# Altium PCB PIXHACK_V3X2.PcbDoc (part 2 of 3)
Units mm, origin at the board's own origin, x right, y up, seen from the top; angles counter-clockwise.
Board outline 51.45 x 41 mm, 6 copper layers (Top Layer, GND, POWER1, Signal1, POWER, Bottom Layer), stack 1.296 mm thick; 217 components, 247 nets, 1002 pads, 279 vias.
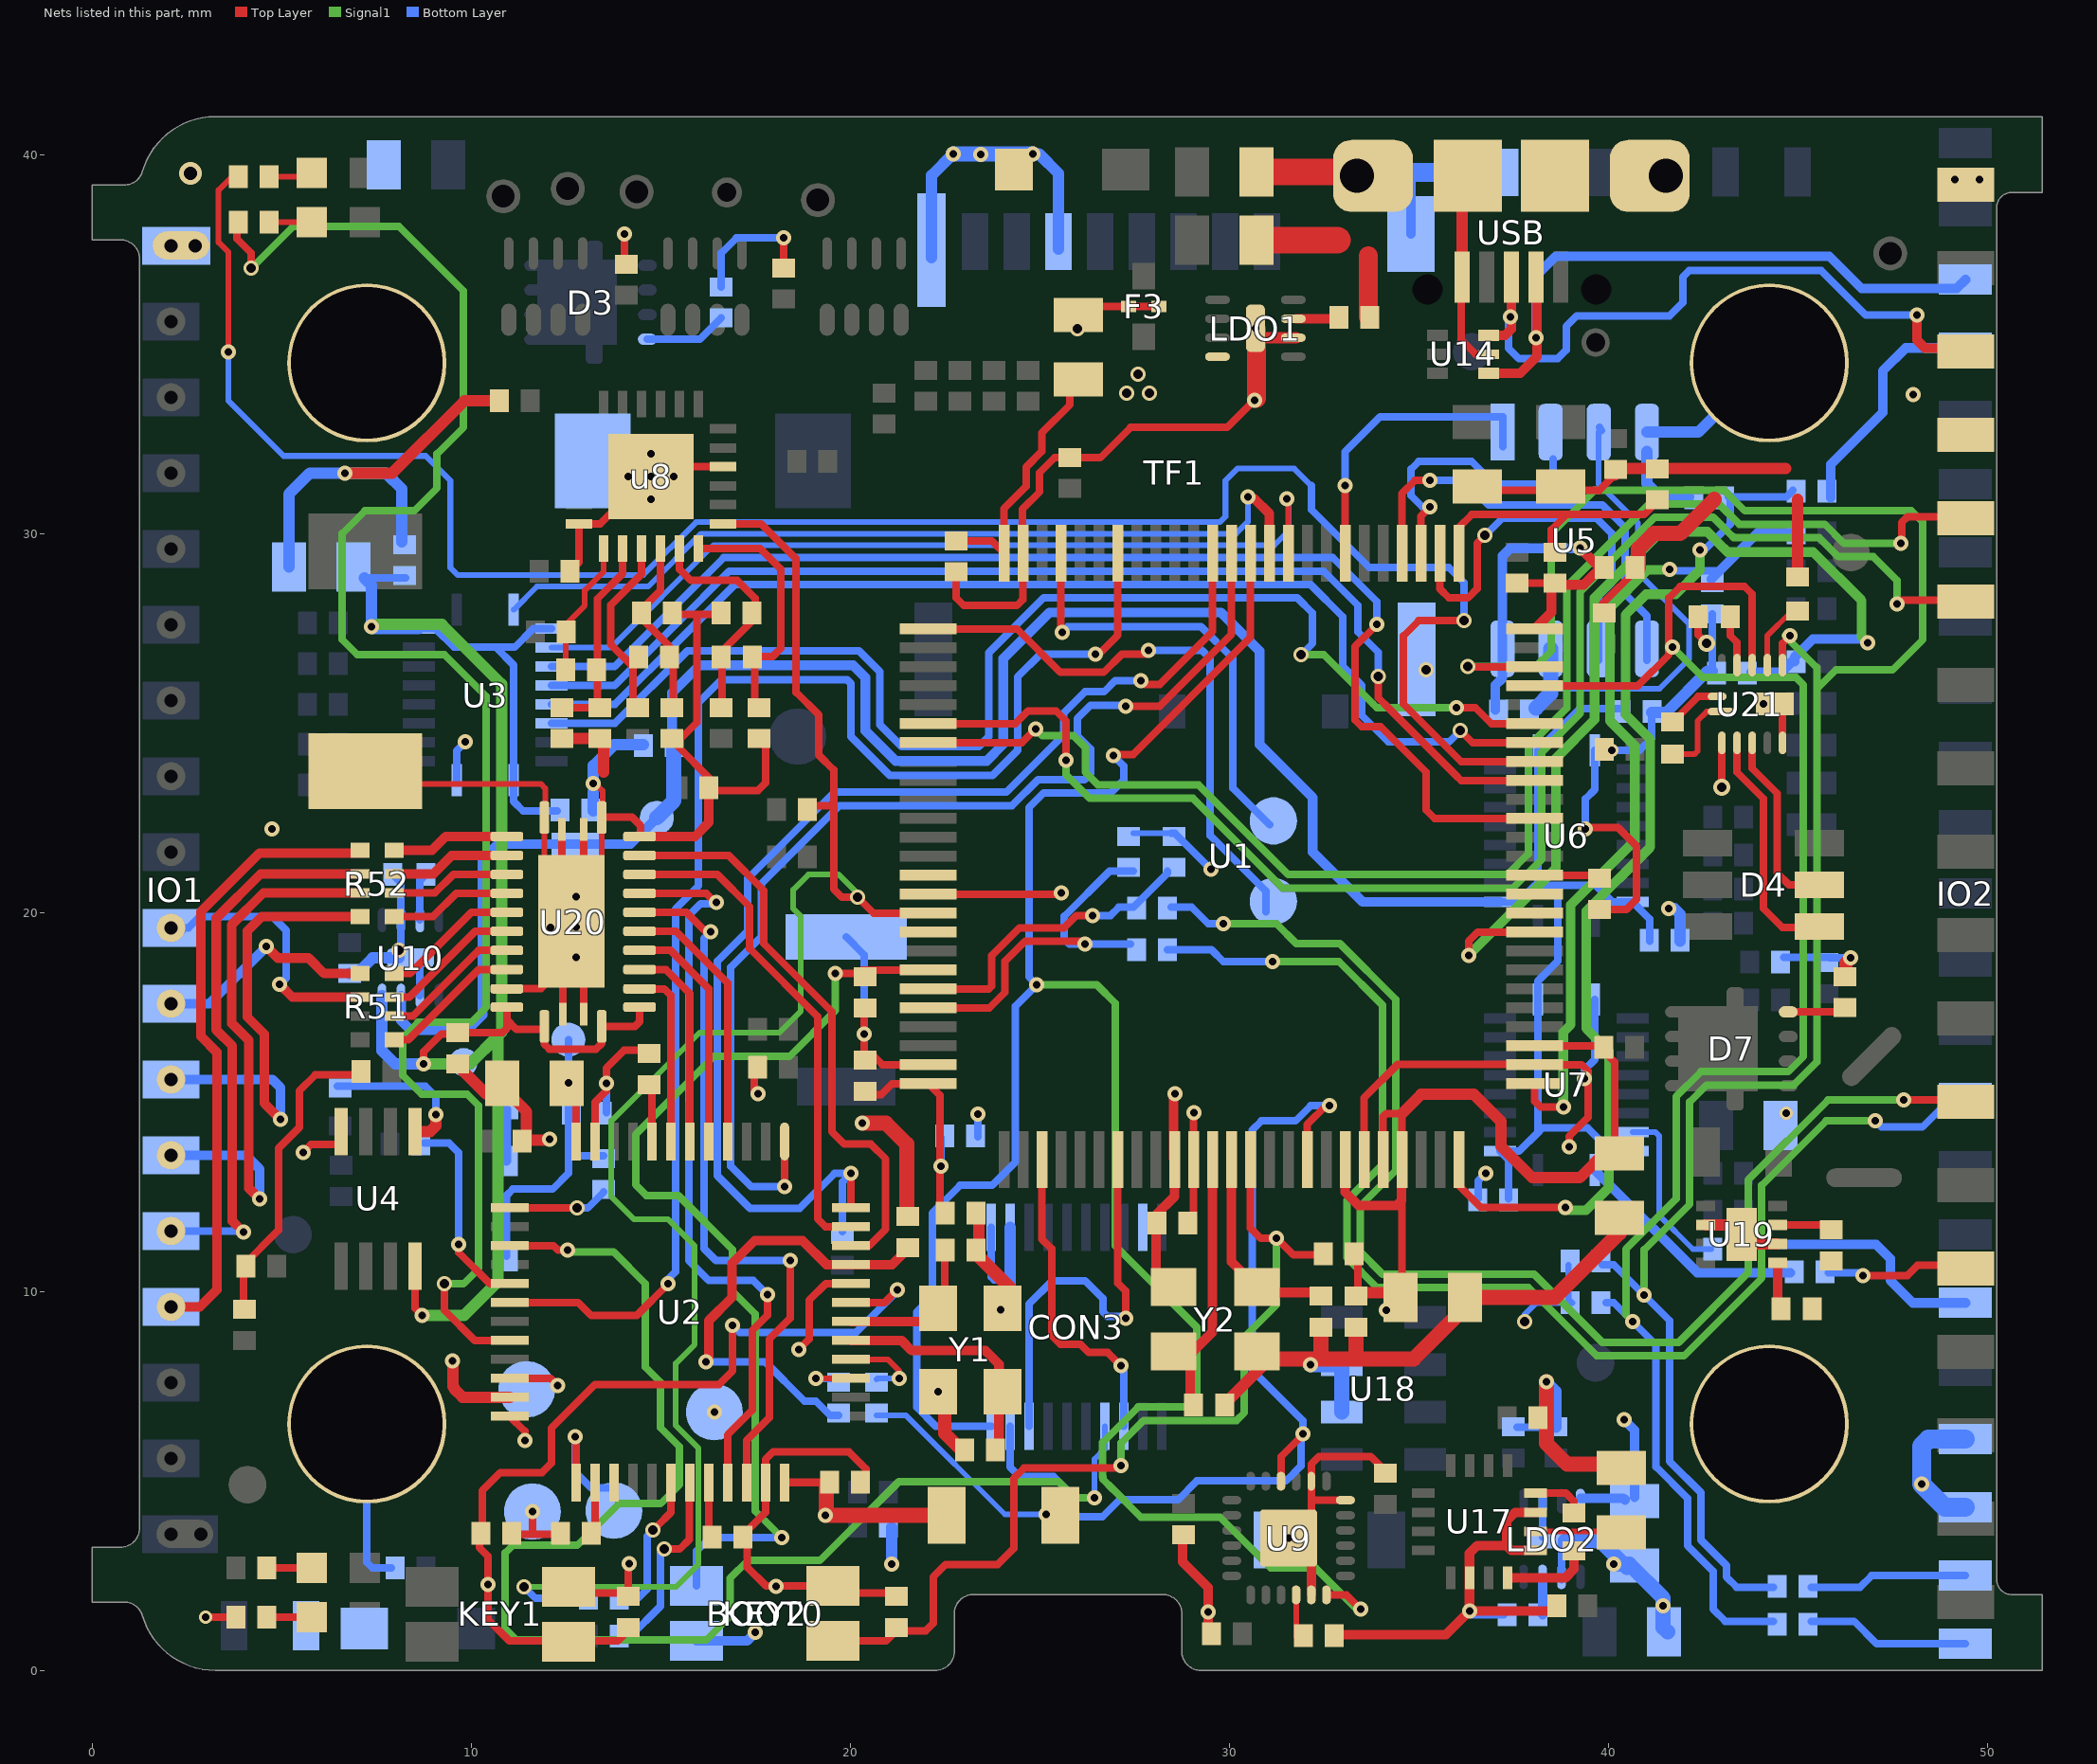
[diagram p6: the nets of this part, all layers, seen from the top]

## Via types
v1: diameter 0.4, hole 0.2, Top Layer to Bottom Layer, tented both sides, 219 vias
v2: diameter 0.4, hole 0.25, Top Layer to Bottom Layer, tented both sides, 32 vias
v3: diameter 0.4, hole 0.2, Top Layer to Bottom Layer, tented top, 17 vias
v4: diameter 0.35, hole 0.2, Top Layer to Bottom Layer, tented both sides, 4 vias
v5: diameter 0.6, hole 0.35, Top Layer to Bottom Layer, tented both sides, 2 vias
v6: diameter 0.4, hole 0.25, Top Layer to Bottom Layer, tented top, 2 vias
v7: diameter 0.45, hole 0.25, Top Layer to Bottom Layer, tented both sides, 2 vias
v8: diameter 0.7, hole 0.4, Top Layer to Bottom Layer, tented both sides, 1 vias

## Nets (pads, with @x,y where several pads share a name; then routed paths per layer and width w, separated by ;. In a path a pad name is that pad's centre, name@x,y a point inside that pad or via, vN(x,y) a via of type N, cw(c..) or ccw(c..) an arc to the next point about the centre after c; other vN are vias at no path point) (continued)
BATT_CURRENT_SENT: R23.1 R24.2 U1.26 | length 22.4
  Top Layer w0.2: U1.26@38.06,15.484 38.06,15.023 38.216,14.867 v1(38.816,14.867)
  Signal1 w0.254: v1(38.816,14.867) 38.814,14.869 38.814,16.844 39.011,17.041 39.011,20.204 40.703,21.896 40.703,24.397 40.049,25.051 40.049,28.049 41.042,29.042 v1@41.616,29.042
  Bottom Layer w0.2: v1(41.623,29.049) 41.822,29.011 41.822,29.017 42.939,29.017 42.966,29.017 43.541,29.592
  Bottom Layer w0.254: R24.2@42.72,28.798 42.939,29.017 43.939,30.017 R23.1@44.956,30.017
BATT_VOLTAGE: IO2.38 R35.2 | length 6.4
  Bottom Layer w0.254: R35.2@45.872,30.938 45.872,31.822 47.241,33.191 47.241,34.291 47.85,34.9 IO2.38@49.425,34.9
BATT_VOLTAGE_SENS: R35.1 R36.2 U1.25 | length 28.1
  Top Layer w0.2: U1.25@36.06,13.484 36.06,12.798 36.641,12.217 v1(38.866,12.217)
  Signal1 w0.254: v1@38.816,12.142 39.414,12.142 40.023,12.751 40.023,16.335 39.419,16.939 39.419,20.035 41.111,21.727 41.111,24.566 40.457,25.22 40.457,27.857 41,28.4 41.784,28.4 42.416,29.032 v1@42.416,29.542
  Bottom Layer w0.2: v1(42.416,29.567) 42.541,29.567 43.216,30.242 R36.2@43.216,30.963 ; R36.2@43.172,30.963 R36.2@43.216,30.963 ; R36.2@43.216,30.967 R36.2@43.216,30.963 ; R35.1@44.872,31.138 44.697,30.963 R36.2@43.216,30.963
BLUE: D4.C1 U21.3 | length 6.1
  Top Layer w0.2: U21.3@43.4,24.475 43.4,23.7 44.1,23 44.1,20.1 44.6,19.6 D4.C1@45.3,19.6
BOOT0: BOOT0.A2 R33.1 U1.94 | length 26.1
  Top Layer w0.2: v1(19.614,18.386) R33.1@20.37,18.386 ; R33.1@20.324,18.484 U1.94@22.06,18.484
  Signal1 w0.2: v1(18.2,3.5) 17.5,4.2 17.5,9.4 16.9,10 16.9,11.1 15.467,12.533 14.625,12.533 14.346,12.812 14.346,14.146 16.4,16.2 18.4,16.2 19.614,17.414 v1(19.614,18.386)
  Bottom Layer w0.2: BOOT0.A2@15.949,2.227 15.949,3.149 16.3,3.5 v1(18.2,3.5)
BOOT1: R20.1 U1.37 | length 1.6
  Top Layer w0.2: U1.37@38.06,20.984 R20.1@39.697,20.984
BRICK_VALID: R38.2 R87.1 U1.91 u8.7 | length 46.6
  Top Layer w0.2: u8.7@16.649,30.261 17.647,30.261 18.566,29.342 18.576,29.342 18.576,25.809 19.171,25.214 19.171,24.156 19.566,23.761 19.566,20.617 19.783,20.4 v2(20.2,20.4) 20.616,19.984 U1.91@22.06,19.984 ; R38.2@18.997,22.821 19.562,22.821
  Signal1 w0.15: v2(11.4,2.2) 15.4,2.2 16,2.8 16,5.865 15.4,6.465 15.4,8.1 15.9,8.6 15.9,11.2 15.2,11.9 14.3,11.9 13.7,12.5 13.7,14.5 16.033,16.833 18.138,16.833 18.7,17.395 18.7,19.9 18.5,20.1 18.5,20.6 18.9,21 19.7,21 20.2,20.5 v2(20.2,20.4)
  Bottom Layer w0.2: v2(11.4,2.2) 11.7,1.9 R87.1@13.025,1.9
CAN1_RX: IO2.13 U1.81 | length 39.2
  Top Layer w0.2: U1.81@22.06,24.984 24.356,24.984 24.693,25.321 25.429,25.321 25.691,25.059 v1(25.691,24.017) ; v1(47.616,28.142) 47.716,28.242 49.386,28.242 IO2.13@49.433,28.289
  Signal1 w0.2: v1(25.691,24.017) 25.691,23.642 26.32,23.013 29.045,23.013 31.412,20.646 37.49,20.646 38.244,21.4 38.244,24.233 39.26,25.25 39.26,28.46 41.229,30.429 42.773,30.429 43.278,29.924 43.278,29.921 43.307,29.892 45.566,29.892 46.07,29.388 46.995,29.388 47.616,28.767 v1(47.616,28.142)
CAN1_TX: IO2.14 U1.82 | length 38
  Top Layer w0.2: U1.82@22.06,24.484 24.533,24.484 v1(24.891,24.842) ; v1@47.741,29.817 47.741,30.291 47.892,30.442 49.386,30.442 IO2.14@49.433,30.489
  Signal1 w0.2: v1(24.891,24.842) 25.066,24.667 25.891,24.667 26.206,24.352 26.206,23.699 26.538,23.367 29.191,23.367 31.558,21 37.343,21 37.89,21.547 37.89,24.38 38.906,25.396 38.906,28.607 41.082,30.783 42.92,30.783 43.457,30.246 45.712,30.246 46.216,29.742 v1(47.716,29.742)
CAN2_RX: R88.1 R89.1 U1.51 | length 7.3
  Top Layer w0.2: U1.51@36.06,29.484 36.06,30.16 36.4,30.5 38.9,30.5 ; R88.1@38.5,29.55 38.5,30.1 38.9,30.5 ; R89.1@41.3,30.85 40.95,30.5 38.9,30.5
CAN2_TX: U1.92
CH1: U2.10 U20.10 | length 15.4
  Top Layer w0.2: U20.10@14.47,21.506 16.794,21.506 17.716,20.584 17.716,19.184 19.516,17.384 19.516,14.217 19.841,13.892 20.541,13.892 20.937,13.496 20.937,11.646 20.499,11.208 U2.10@20.02,11.208
CH2: U2.11 U20.9 | length 13.2
  Top Layer w0.2: U20.9@14.47,21.006 16.494,21.006 17.351,20.149 17.351,19.048 19.141,17.258 19.141,11.917 19.35,11.708 U2.11@20.02,11.708
CH3: U2.45 U20.8 | length 19.9
  Top Layer w0.2: U20.8@14.47,20.506 16.202,20.506 v1@16.466,20.242 ; U2.45@16.77,4.958 16.77,6.221 17.416,6.867 17.416,8.967 17.816,9.367 v1(17.816,9.917)
  Bottom Layer w0.2: v1@16.479,20.23 16.054,20.23 15.745,19.921 15.745,10.813 16.266,10.292 17.441,10.292 v1(17.816,9.917)
  other v1: 16.466,20.267
CH4: U2.46 U20.7 | length 19
  Top Layer w0.2: U20.7@14.47,20.006 15.677,20.006 16.166,19.517 v1@16.316,19.517 ; U2.46@17.27,4.958 17.27,6.071 17.866,6.667 17.866,8.742 18.416,9.292 v1(18.416,10.817)
  Bottom Layer w0.2: 16.166,19.342 16.142,19.318 16.142,11.132 16.457,10.817 v1(18.416,10.817)
  other v1: 16.316,19.492
CH5: U2.16 U20.6 | length 7
  Top Layer w0.2: U20.6@14.47,19.506 15.402,19.506 16.77,18.138 U2.16@16.77,13.958
CH6: U2.17 U20.5 | length 6.3
  Top Layer w0.2: U20.5@14.47,19.002 15.256,19.002 16.27,17.988 U2.17@16.27,13.958
CH7: U2.18 U20.4 | length 6.5
  Top Layer w0.2: U20.4@14.47,18.494 15.139,18.494 15.77,17.863 U2.18@15.77,13.958 15.757,13.971 15.757,14.964
CH8: U2.19 U20.3 | length 4.7
  Top Layer w0.2: U20.3@14.47,17.986 15.097,17.986 15.27,17.813 U2.19@15.27,13.958
DM: IO2.39 U14.1 USB.2 | length 17
  Top Layer w0.254: U14.1@36.851,34.233 37.682,34.233 38.116,34.667 USB.2@38.116,36.617
  Bottom Layer w0.254: v1@38.091,35.217 38.091,36.792 38.616,37.317 45.834,37.317 46.684,36.467 49.192,36.467 IO2.39@49.425,36.7
  other v1: 38.091,35.167
DP: IO2.16 U14.3 USB.3 | length 17.7
  Top Layer w0.254: U14.3@36.851,35.233 37.282,35.233 37.441,35.392 37.441,36.335 USB.3@37.441,36.492 ; v1(48.141,35.767) 48.141,35.109 48.361,34.889 IO2.16@49.433,34.889
  Bottom Layer w0.2: v1@37.366,35.742 37.366,34.892 37.641,34.617 38.666,34.617 38.891,34.842 38.891,35.467 39.166,35.742 41.616,35.742 41.966,36.092 41.966,36.767 42.135,36.936 45.622,36.936 46.791,35.767 v1(48.141,35.767)
  other v1: 37.416,35.717
EXTERN_DRDY: U1.36
FMU_AMBER_LED: R90.2 U1.43 | length 54.1
  Top Layer w0.154: v1(3.591,34.792) 3.591,37.43 3.335,37.686 3.335,39.065 3.687,39.417 R90.2@3.816,39.417
  Top Layer w0.2: v2(36.2,27.7) 35,27.7 34.6,27.3 34.6,25.5 36.116,23.984 U1.43@38.06,23.984
  Bottom Layer w0.154: v1(3.591,34.792) 3.591,33.509 5.052,32.048 8.802,32.048 9.45,31.4 9.45,29.1 9.644,28.906 14.543,28.906 15.939,30.302 29.752,30.302 29.9,30.45 29.9,31.4 30.217,31.717 31.716,31.717 32.166,31.267
  Bottom Layer w0.2: 32.166,31.267 32.166,30.634 33.7,29.1 35.8,29.1 36.2,28.7 v2(36.2,27.7)
FMU_CH1: U1.45 U3.7 | length 34
  Top Layer w0.2: v1(36,25.4) 36.5,25.4 36.916,24.984 U1.45@38.06,24.984
  Signal1 w0.2: v2(31.9,26.8) 32.5,26.8 33.8,25.5 33.9,25.4 v1(36,25.4)
  Bottom Layer w0.2: U3.7@12.122,24.99 13.79,24.99 15.704,26.904 20.235,26.904 20.781,26.358 20.781,24.958 21.358,24.381 23.4,24.381 23.66,24.641 23.66,26.858 25.103,28.301 31.799,28.301 32.2,27.9 32.2,27.1 v2(31.9,26.8)
FMU_CH2: U1.44 U3.6 | length 30.5
  Top Layer w0.2: v2(36.1,24.8) 36.416,24.484 U1.44@38.06,24.484
  Bottom Layer w0.2: U3.6@12.122,25.49 13.789,25.49 15.557,27.258 15.559,27.258 16.956,28.655 32.145,28.655 33,27.8 33,26.49 33.5,25.99 33.5,25.2 34.2,24.5 35.8,24.5 v2(36.1,24.8)
FMU_CH3: U1.42 U3.5 | length 30.6
  Top Layer w0.2: v2(33.929,26.229) 33.929,25.671 34.246,25.354 35.969,23.63 36.116,23.484 U1.42@38.06,23.484
  Bottom Layer w0.2: U3.5@12.122,25.99 13.789,25.99 15.411,27.612 15.413,27.612 16.81,29.009 32.491,29.009 33.4,28.1 33.4,27.4 33.929,26.871 v2(33.929,26.229)
FMU_CH4: U1.40 U3.4 | length 33.2
  Top Layer w0.2: v1(33.9,27.6) 33.316,27.016 33.316,25.084 33.5,24.9 34,24.9 35.2,23.7 35.2,22.7 35.416,22.484 U1.40@38.06,22.484
  Bottom Layer w0.2: U3.4@12.122,26.49 13.788,26.49 15.264,27.966 15.266,27.966 16.663,29.363 32.737,29.363 33.9,28.2 v1(33.9,27.6)
FMU_CH5: U1.60 U3.3 | length 22.9
  Top Layer w0.15: v1(31.516,30.917) 31.56,30.873 U1.60@31.56,29.484
  Bottom Layer w0.15: U3.3@12.122,26.99 13.69,26.99 16.392,29.692 31.192,29.692 31.566,30.066 v1@31.566,30.817
FMU_CH6: U1.61 U3.1 | length 22.8
  Top Layer w0.254: v1@30.466,30.917 30.666,30.917 31.06,30.523 U1.61@31.06,29.484
  Bottom Layer w0.15: U3.1@11.122,27.99 11.732,28.6 14.67,28.6 16.066,29.996 30.178,29.996 30.491,30.309 v1(30.491,30.967)
FMU_RESET: C28.2 KEY2.A4 R34.1 U1.14 | length 24.4
  Top Layer w0.2: KEY2.A4@19.551,0.777 20.951,0.777 21.216,1.042 21.991,1.042 22.191,1.242 22.191,2.467 22.516,2.792 23.891,2.792 24.316,3.217 24.316,5.067 24.587,5.338 27.145,5.338 27.15,5.343 v1(27.15,5.4) ; U1.14@30.56,13.484 30.56,11.673 30.833,11.4 v1(31.25,11.4) 31.258,11.4 31.691,10.967 R34.1@32.395,10.967
  Signal1 w0.2: v1(27.15,5.4) 27.15,5.999 27.747,6.596 30.196,6.596 30.4,6.8 30.4,8.8 31.25,9.65 v1(31.25,11.4)
FMU_RX: R84.2 U1.64 U2.12 | length 32.3
  Top Layer w0.2: U2.12@20.02,12.208 v1(20.02,13.113) ; v1@27.766,26.017 28.166,26.017 29.56,27.411 U1.64@29.56,29.484
  Bottom Layer w0.2: R84.2@19.8,11.575 19.8,12.893 v1(20.02,13.113) 19.587,13.113 18.666,12.192 17.358,12.192 16.496,13.054 16.496,18.713 17.3,19.517 17.3,20.9 19.575,23.175 24.123,23.175 25.637,24.689 25.637,25.266 26.196,25.825 26.699,25.825 26.991,26.117 v1(27.666,26.117)
FMU_SWCLK: pad.1@31.166,20.292 U1.76 | length 15.5
  Top Layer w0.2: U1.76@22.06,27.484 24.4,27.484 25.546,26.338 26.688,26.338 27.167,26.817 v1@27.866,26.817
  Bottom Layer w0.2: v1(27.866,26.917) 29.283,26.917 29.5,26.7 29.5,22.033 30.966,20.567 pad.1@30.966,20.017
FMU_SWDIO: pad.1@31.166,22.417 U1.72 | length 11.8
  Top Layer w0.2: U1.72@25.56,29.484 25.56,27.423 v1(25.591,27.392)
  Bottom Layer w0.2: v1(25.591,27.392) 25.738,27.539 29.261,27.539 30.1,26.7 30.1,23.283 pad.1@31.066,22.317
FMU_SWO: U1.89
FMU_TX: U1.63 U2.13 | length 29.3
  Top Layer w0.2: v1(18.27,12.767) U2.13@18.27,13.958 ; v1(27.266,25.442) 28.166,25.442 30.06,27.336 U1.63@30.06,29.484
  Bottom Layer w0.2: v1(18.27,12.767) 17.391,12.767 16.85,13.308 16.85,18.551 17.654,19.355 17.654,20.753 19.722,22.821 24.27,22.821 24.957,23.508 26.182,23.508 26.341,23.667 26.341,24.317 25.991,24.667 25.991,25.119 26.343,25.471 27.212,25.471 v1@27.266,25.417
FMUIO_3V3: C64.2 C65.2 C66.2 C67.2 C69.2 pad.22@14.9,22.5 U6.2 U6.10 U6.19 U7.2 U7.10 U7.19 U10.7 | length 71.6
  Bottom Layer w0.2: U6.2@37.144,20.277 37.626,20.277 38.066,20.717 38.166,20.717 ; C64.2@37.366,12.442 37.366,13.48 U7.2@37.144,13.702 37.651,13.702 38.144,14.195 ; C67.2@40.35,25.375 39.242,25.375 U6.10@38.144,24.277 38.144,20.739 38.166,20.717 ; U7.19@40.666,13.68 40.09,13.68 39.453,14.317 38.266,14.317 38.144,14.195 ; C66.2@41.091,19.242 41.091,19.83 U6.19@40.644,20.277 40.106,20.277 39.666,20.717 38.666,20.717 ; 38.144,14.195 U7.10@38.144,17.702 38.144,18.195 38.666,18.717 38.666,20.717 ; 38.166,20.717 38.666,20.717
  Bottom Layer w0.254: U10.7@8.15,17.8 8.15,17.15 8.4,16.9 9.9,16.9 10.3,17.3 10.3,21.4 10.709,21.809 14.209,21.809 pad.22@14.9,22.5 ; C65.2@15.3,24.425 15.3,25.8 16.023,26.523 20.077,26.523 20.4,26.2 20.4,24.8 21.2,24 23.6,24 24.041,24.441 24.041,26.7 25.261,27.92 29.78,27.92 30.8,26.9 30.8,24.433 32.2,23.033 32.2,21.6 33.523,20.277 U6.2@37.144,20.277
  Bottom Layer w0.4: pad.22@14.9,22.5 15.35,22.95 C65.2@15.35,24.425
"FRAM_ MOSI": U1.54 U5.5 | length 11.8
  Top Layer w0.2: U1.54@34.56,29.484 34.56,31.06 34.9,31.4 v1(35.3,31.4)
  Bottom Layer w0.2: v1(35.3,31.4) 36.2,31.4 36.846,30.754 39.843,30.754 40.45,30.147 40.45,28.4 41.021,27.829 U5.5@41.021,26.96 U5.5@41.021,26.66
FRAM_CS: U1.57 U5.1 | length 8
  Top Layer w0.2: U1.57@33.06,29.484 v1(33.06,31.261)
  Bottom Layer w0.2: v1(33.06,31.261) 33.06,32.16 33.984,33.084 37.216,33.084 U5.1@37.216,32.292
FRAM_MISO: U1.53 U5.2 | length 7.3
  Top Layer w0.2: U1.53@35.06,29.484 35.06,30.46 v1(35.3,30.7)
  Bottom Layer w0.2: v1(35.3,30.7) 35.1,30.7 34.8,31 34.8,31.7 35,31.9 36.4,31.9 37,31.3 38.4,31.3 38.541,31.441 U5.2@38.541,31.967
FRAM_SCK: U1.52 U5.6 | length 10.8
  Top Layer w0.2: U1.52@35.56,29.484 35.56,28.54 35.8,28.3 36.3,28.3 36.546,28.546 36.546,29.746 v2(36.75,29.95)
  Bottom Layer w0.2: v2(36.75,29.95) 37.2,30.4 39.696,30.4 40.096,30 40.096,28.7 39.751,28.355 U5.6@39.751,26.96 U5.6@39.751,26.66
"FUTURE USE": U1.90 | length 3.6
  Top Layer w0.2: U1.90@22.06,20.484 25.599,20.484 v1(25.566,20.517)
GND: C1.2 C2.2 C3.2 C4.2 C5.1 C6.1 C7.2 C8.1 C9.1 C10.1 C11.1 C12.C C13.C C14.1 C15.1 C16.1 C17.1 C18.1 C19.1 C20.1 C21.1 C22.1 C23.2 C24.1 C25.1 C26.1 C27.1 C28.1 C29.1 C30.1 C31.1 C32.2 C33.2 C34.2 C35.1 C36.1 C37.1 C38.1 C39.1 C40.1 C41.1 C42.1 C43.2 C44.2 C45.2 C46.2 C47.2 C48.1 C49.1 C50.2 C52.2 C53.2 C54.1 C55.2 C56.1 C57.1 C58.1 C59.1 C60.1 C61.1 C62.1 C63.2 C64.1 C65.1 C66.1 C67.1 C68.1 C69.1 C71.1 CON3.2 CON3.9 CON3.10 D2.1 D6.1 ESD2.2 F3.0 IO1.18 IO2.15 IO2.18 IO2.21 IO2.22 KEY1.A2 KEY2.A2 LDO1.2 LDO2.2 LDO2.6 pad.1@16.416,6.817 pad.2 pad.18@2.081,37.596 pad.18@2.716,37.592 pad.23@2.35,37.6 R8.1 R12.1 R15.2 R16.2 R18.1 R19.1 R20.2 R22.1 R24.1 R28.1 R33.2 R36.1 R37.1 R41.1 R42.1 R44.1 R61.1 R80.2 R81.2 R83.2 R89.2 R91.1 TF1.6 U1.10 U1.20 U1.27 U1.74 U1.99 U2.8 U2.23 U2.35 U2.47 U3.11 U4.1 U4.4 U5.4 U6.11 U7.11 u8.10 u8.24 U9.11 U9.18 U9.20 U10.2 U10.6 U14.2 U16.2 U17.6 U17.9 U17.11 U18.2 U18.3 U19.2 U19.6 U20.11 U20.12 U20.13 U20.22 U21.2 U21.6 U21.EXDPAD USB.5 Y1.2 Y1.4 Y2.2 Y2.4 | length 283.1
  Top Layer w0.15: 33.6,37.4 33.666,37.334
  Top Layer w0.154: C13.C@7.791,23.396 11.837,23.396 11.958,23.275 U20.13@11.958,22.506 ; U20.22@11.933,20.475 U20.13@11.933,22.506 ; v1(13.225,23.4) 13.283,23.4 13.47,23.213 U20.12@13.47,22.506 ; U20.22@13.445,20.571 U20.12@13.445,22.506
  Top Layer w0.2: v4(3,1.4) R41.1@3.79,1.4 ; v1(5.566,13.667) 5.773,13.874 6.573,13.874 U4.4@6.573,14.219 ; C13.C@7.207,23.653 C13.C@7.315,23.546 ; U20.22@10.942,17.986 10.948,17.992 11.841,17.992 U20.22@12.416,18.567 ; U20.22@12.391,20.017 U20.22@12.391,22.192 ; U20.22@12.416,17.317 U20.22@12.416,18.567 ; U20.22@12.416,19.542 U20.22@12.416,18.567 ; C18.1@12.61,29 12.849,29.239 u8.24@12.849,30.261 13.41,30.261 u8.10@14.041,30.892 ; U20.22@12.641,19.767 12.641,18.792 U20.22@12.416,18.567 ; KEY1.A2@12.735,2.042 14.141,2.042 v1@14.141,2.792 ; U20.22@12.966,17.317 U20.22@12.966,19.442 ; U20.22@12.966,20.092 U20.22@12.966,22.192 ; U2.23@13.27,13.958 13.27,14.996 13.566,15.292 v1(13.566,15.492) 13.566,15.892 14.035,16.361 R12.1@14.67,16.361 ; U20.12@13.47,22.506 13.477,22.513 14.245,22.513 14.47,22.288 U20.11@14.47,22.006 ; C32.2@14.05,37.1 v1(14.05,37.9) ; u8.10@15.072,31.761 u8.10@16.649,31.761 ; C2.2@15.366,27.867 15.952,27.867 ; C21.1@16.366,23.469 15.387,24.448 15.952,25.013 15.952,27.867 ; C21.1@16.466,23.217 17.566,23.217 17.766,23.417 17.766,24.369 17.687,24.448 R19.1@17.56,24.448 ; C33.2@16.491,27.867 15.952,27.867 ; v1@17.472,15.298 R28.1@17.472,15.896 ; C34.2@18.25,37.1 v1(18.25,37.8) ; v1@18.666,8.492 18.916,8.742 18.916,9.767 19.357,10.208 U2.8@20.02,10.208 ; KEY2.A2@19.551,2.227 17.782,2.227 17.285,2.723 17.285,3.688 17.77,4.173 U2.47@17.77,4.958 17.77,5.571 17.966,5.767 19.966,5.767 20.416,5.317 C39.1@20.416,4.967 ; KEY2.A2@19.735,2.042 C28.1@21.216,2.042 ; R33.2@20.37,17.386 20.37,16.213 20.391,16.192 20.641,16.192 20.849,15.984 U1.99@22.06,15.984 ; C9.1@22.8,28.99 22.8,28.3 23,28.1 24.4,28.1 24.56,28.26 U1.74@24.56,29.484 24.56,30.181 24.541,30.2 24.541,30.641 25,31.1 25,31.61 25.39,32 26.6,32 27.4,32.8 29.949,32.8 v1(30.666,33.517) v1@30.716,33.567 ; C15.1@25.966,36.017 25.988,35.995 F3.0@27.349,35.995 F3.0@28.149,35.995 ; U9.20@32.166,4.092 32.166,4.542 ; U9.18@33.066,4.492 33.066,4.488 32.22,4.488 32.166,4.542 ; U1.20@33.56,13.484 33.56,15.11 34.442,15.992 U1.27@38.016,15.992 ; R61.1@34.095,5.286 33.739,5.642 32.366,5.642 32.166,5.442 U9.20@32.166,4.992 32.166,4.542 ; USB.5@36.116,36.392 36.116,35.117 36.5,34.734 U14.2@36.851,34.734 ; C30.1@36.541,31.142 C31.1@38.566,31.142 ; U1.27@38.06,15.984 39.299,15.984 39.466,15.817 39.466,14.592 38.966,14.092 v1(38.966,13.817) ; C31.1@38.566,31.242 C31.1@38.566,31.142 ; C31.1@38.666,31.042 C31.1@38.566,31.142 ; v1@39.591,22.242 40.258,22.242 40.746,21.754 40.746,20.346 40.482,20.082 R20.2@39.841,20.082 ; C25.1@39.841,28.092 39.841,28.141 C42.1@40.8,29.1 ; C22.1@40.216,31.592 40.166,31.542 39.766,31.142 C31.1@38.566,31.142 ; C71.1@42.375,27.8 42.375,27.325 v7(42.6,27.1) ; v7(43,23.3) U21.2@43,24.475 ; U21.EXDPAD@44.4,25.5 44.6,25.3 U21.6@44.6,24.475
  Top Layer w0.25: U20.11@14.445,22.006 14.47,22.006 15.906,22.006 16.276,22.376 C21.1@16.276,23.292
  Top Layer w0.254: Y2.2@28.527,10.112 28.066,10.573 28.066,12.017 28.56,12.511 U1.10@28.56,13.484 28.535,13.509 28.535,15.129 28.566,15.16 v1(28.566,15.217) ; C43.2@28.766,3.517 28.766,2.867 29.441,2.192 C46.2@29.441,0.967 ; U9.11@32.166,1.992 U9.20@32.166,2.892 ; C35.1@32.841,0.942 35.716,0.942 v1(36.339,1.565) ; U17.9@38.085,3.164 37.444,3.164 37.316,3.292 ; U17.11@38.085,4.168 37.542,4.168 37.316,3.942 37.316,3.292 ; C19.1@38.515,1.565 v1(36.339,1.565) ; v1(36.339,1.565) U17.6@36.339,2.439 36.339,3.09 36.541,3.292 37.316,3.292